# Altium PCB TCM.PcbDoc (part 7 of 10)
Units mm, origin at the board's own origin, x right, y up, seen from the top; angles counter-clockwise.
Board outline 280.25 x 366.95 mm, 6 copper layers (Top, L2, L3, L4, L5, Bot), stack 1.536 mm thick; 503 components, 762 nets, 3201 pads, 1645 vias.
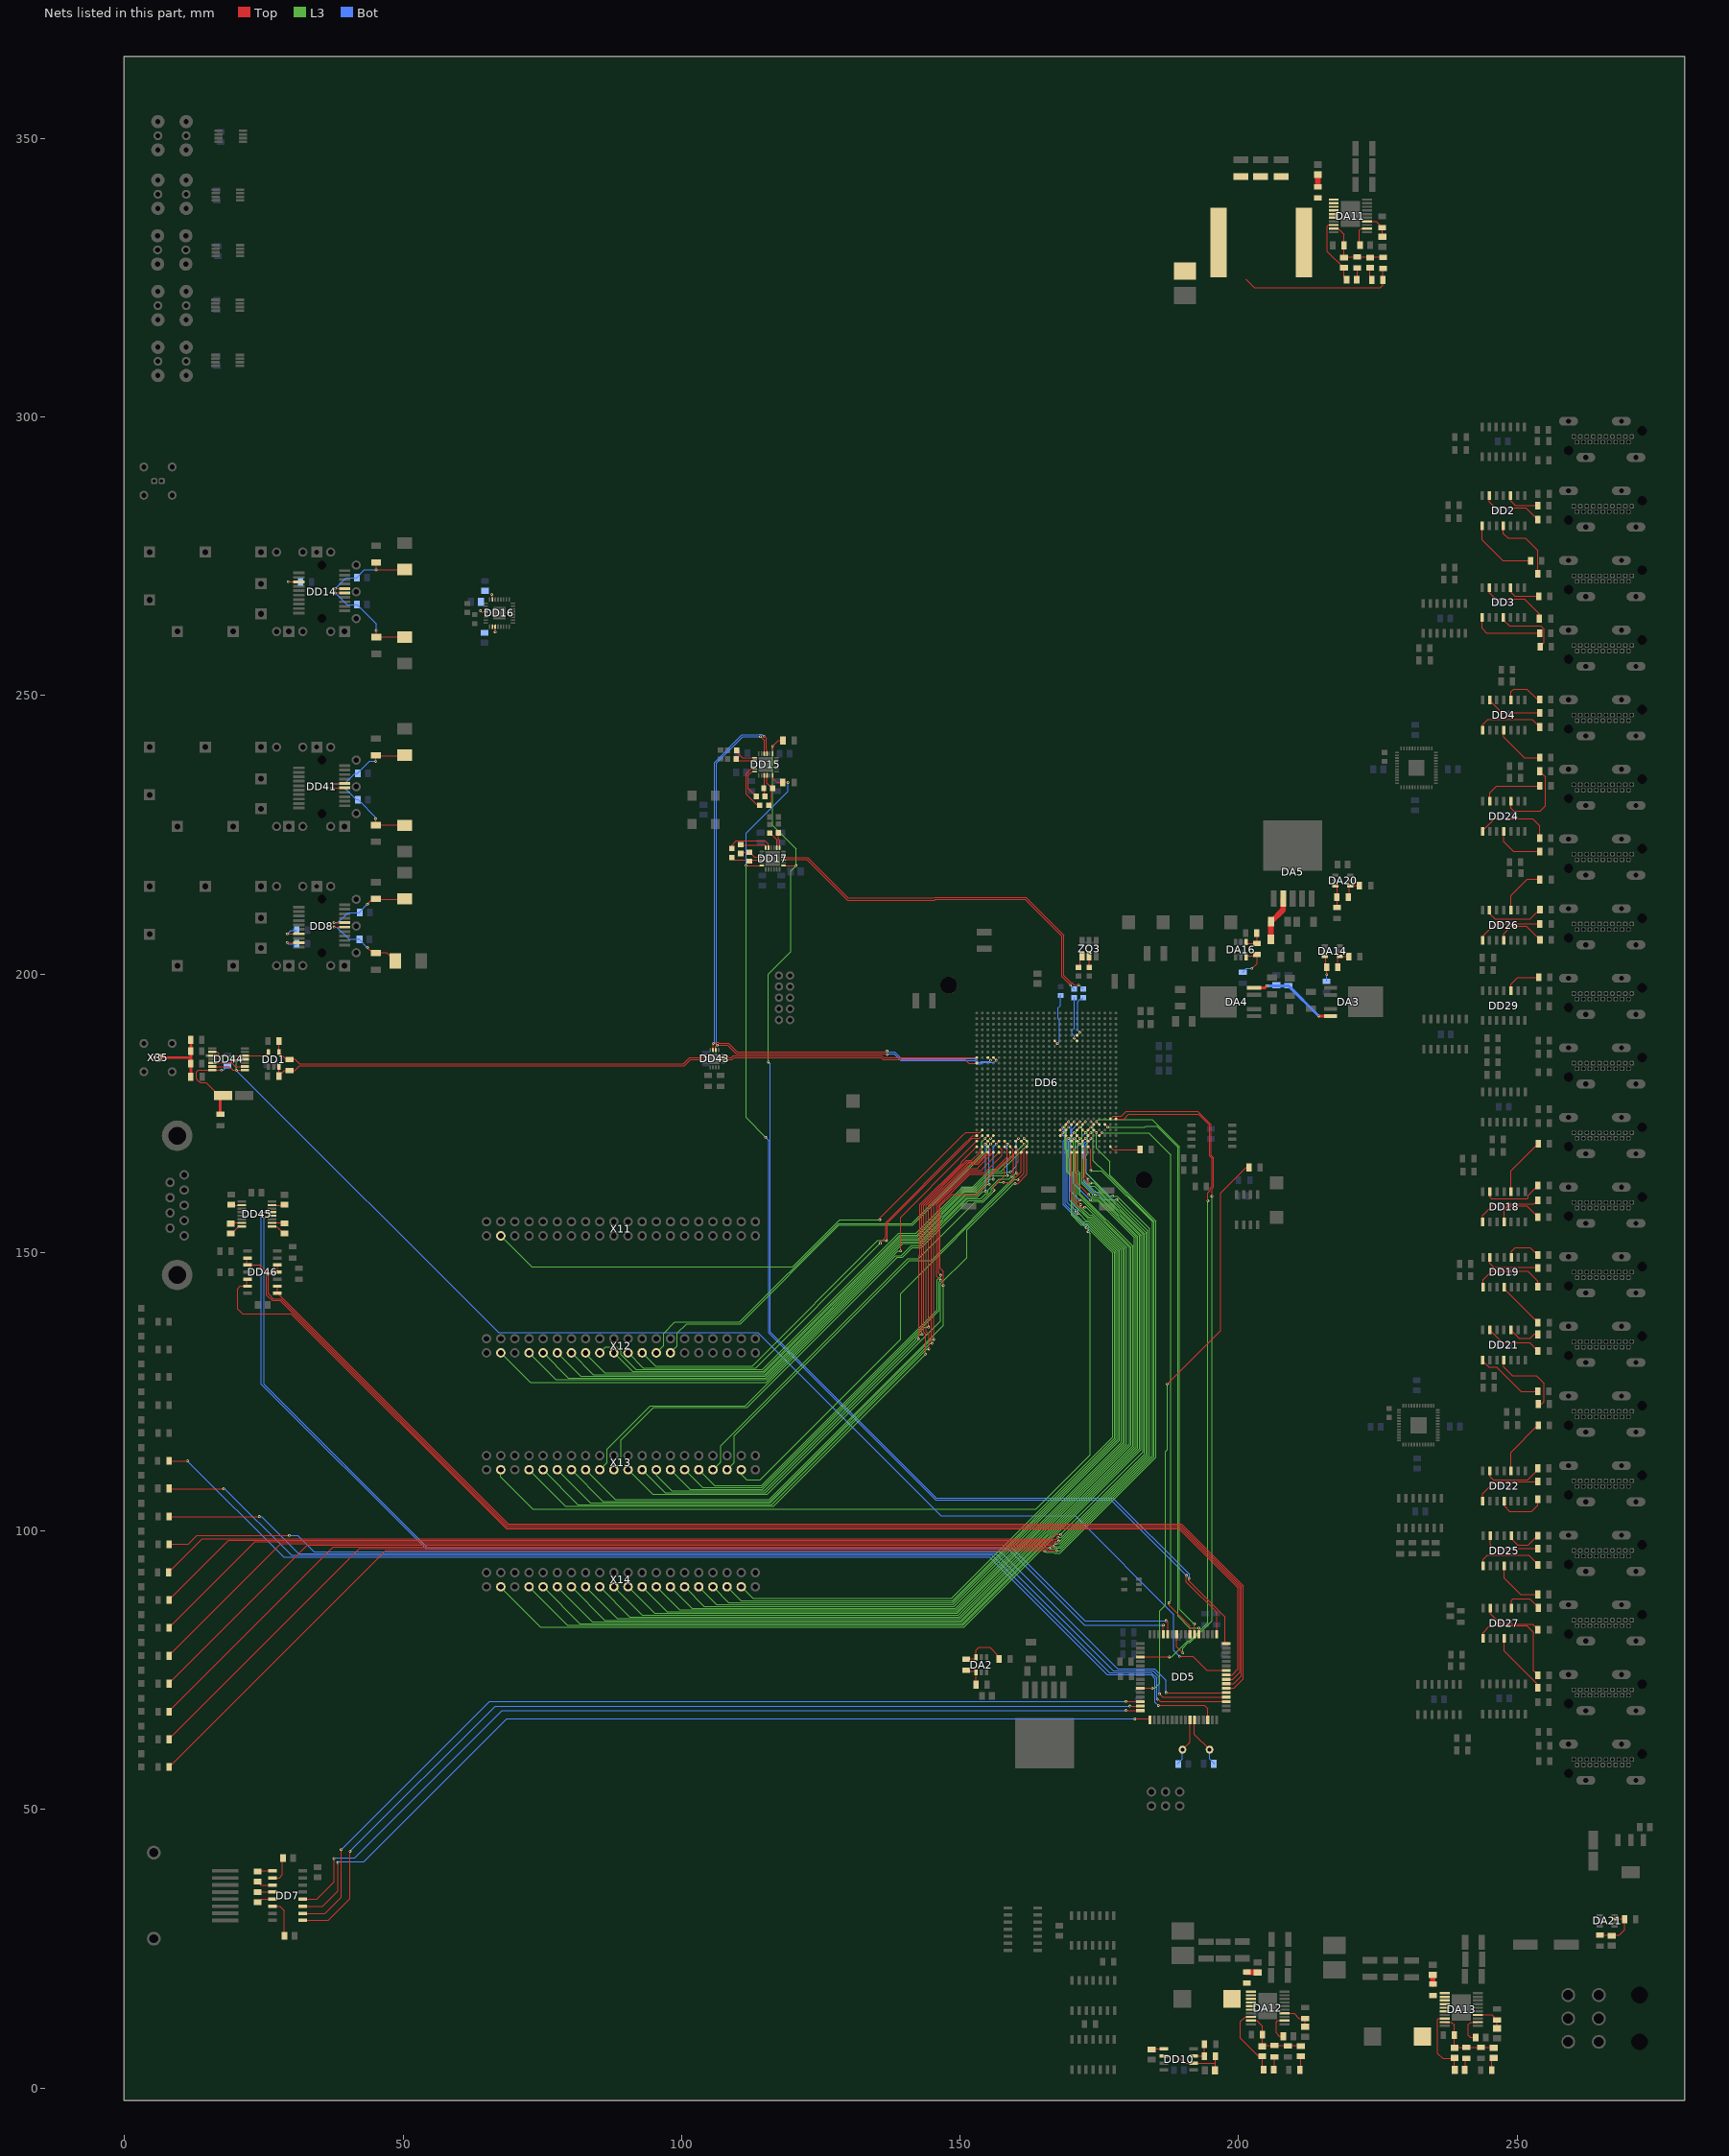
[diagram p11: the nets of this part, all layers, seen from the top]

## Via types
v1: diameter 0.48, hole 0.25, Top to Bot, tented both sides, 1515 vias
v2: diameter 1, hole 0.6, Top to Bot, tented both sides, 117 vias
v3: diameter 0.8, hole 0.4, Top to Bot, tented both sides, 8 vias
v4: diameter 5, hole 2.7, Top to Bot, tented both sides, 4 vias
v5: diameter 0.48/0/0/0/0/0.48 (per signal layer), hole 0.25, Top to Bot, tented both sides, 1 vias

## Nets (pads, with @x,y where several pads share a name; then routed paths per layer and width w, separated by ;. In a path a pad name is that pad's centre, name@x,y a point inside that pad or via, vN(x,y) a via of type N, cw(c..) or ccw(c..) an arc to the next point about the centre after c; other vN are vias at no path point) (continued)
LA1_5: DD6.AC23 X12.27 | length 76.4
  Top w0.1: v1(155.5,170.5) DD6.AC23@156,171
  L3 w0.1: 152.066,165.5 154.895,168.33 154.895,169.895 v1(155.5,170.5)
  L3 w0.15: X12.27@98.02,132 99.253,133.233 99.253,135.55 100.904,137.201 110.547,137.201 128.281,154.935 141.501,154.935 152.066,165.5
LA1_6: DD6.AD23 X12.25 | length 78.2
  Top w0.1: v1(154.5,170.5) DD6.AD23@155,171
  L3 w0.1: 151.641,165.5 153.895,167.754 153.895,169.895 v1(154.5,170.5)
  L3 w0.15: X12.25@95.48,132 96.8,133.32 96.8,135.5 98.801,137.501 110.422,137.501 128.156,155.235 141.376,155.235 151.641,165.5
LA1_7: DD6.AE23 X12.23 | length 81.1
  Top w0.1: 150.5,168.8 152.2,170.5 153.5,170.5 DD6.AE23@154,171
  Top w0.15: v1(136.815,152.134) 136.972,152.292 136.972,155.272 150.5,168.8
  L3 w0.15: X12.23@92.94,132 95.351,129.588 112.709,129.588 135.259,152.138 136.811,152.138 v1(136.815,152.134) v1@136.643,152.134
LA1_8: DD6.AF23 X12.21 | length 82.6
  Top w0.1: 150.5,169.224 152.276,171 DD6.AF23@153,171
  Top w0.15: v1(135.691,151.673) 135.691,151.818 136.672,152.8 136.672,155.397 150.5,169.224
  L3 w0.15: X12.21@90.4,132 93.111,129.288 113.306,129.288 v1(135.691,151.673)
LA1_9: DD6.U24 X12.19 | length 94.7
  Top w0.1: v1(161.5,170.5) DD6.U24@162,170
  L3 w0.1: 158.3,165.5 162.2,169.4 162.2,169.8 v1(161.5,170.5)
  L3 w0.15: X12.19@87.86,132 91.171,128.688 114.701,128.688 139.147,153.135 142.263,153.135 142.348,153.221 142.369,153.221 150.6,161.451 152.446,161.451 155.576,164.582 157.382,164.582 158.3,165.5
LA1_10: DD6.V24 X12.17 | length 96.2
  Top w0.1: DD6.V24@161,170 v1(161.5,169.5)
  L3 w0.1: 157.5,165.5 v1(161.5,169.5)
  L3 w0.15: X12.17@85.32,132 86.411,133.091 88.354,133.091 89.12,132.326 89.12,131.647 91.778,128.988 114.577,128.988 139.023,153.435 142.138,153.435 150.455,161.751 152.3,161.751 155.448,164.9 156.9,164.9 157.5,165.5
LA1_11: DD6.W24 X12.15 | length 100.2
  Top w0.1: DD6.W24@160,170 v1(160.5,170.5)
  L3 w0.15: X12.15@82.78,132 82.78,131.824 86.215,128.388 114.825,128.388 139.272,152.835 142.408,152.835 150.724,161.151 152.57,161.151 155.7,164.282 157.506,164.282 157.677,164.453 v1(159.059,164.453)
  Bot w0.1: 160.146,165.54 160.146,169.208 160.099,169.254 160.099,170.099 v1(160.5,170.5)
  Bot w0.15: v1(159.059,164.453) 160.146,165.54
LA1_12: DD6.AA24 X12.13 | length 101.1
  Top w0.1: DD6.AA24@158,170 v1@158.5,169.5
  L3 w0.15: X12.13@80.24,132 84.156,128.084 114.945,128.084 139.396,152.535 142.532,152.535 150.848,160.851 152.694,160.851 155.616,163.773 158.473,163.773 v1(158.5,163.8)
  Bot w0.1: 158.5,165.5 v1(158.5,169.5)
  Bot w0.15: v1(158.5,163.8) 158.5,165.5
LA1_13: DD6.AB24 X12.11 | length 101.9
  Top w0.1: v1(156.5,169.5) DD6.AB24@157,170
  L3 w0.15: X12.11@77.7,132 81.916,127.784 115.07,127.784 139.52,152.235 142.656,152.235 150.973,160.551 152.818,160.551 155.431,163.164 v1(155.981,163.164)
  Bot w0.1: 155.981,165.5 155.981,168.981 v1(156.5,169.5)
  Bot w0.15: v1(155.981,163.164) 155.981,165.5
LA1_14: DD6.AC24 X12.9 | length 104.4
  Top w0.1: v1(155.5,169.5) DD6.AC24@156,170
  L3 w0.15: X12.9@75.16,132 79.676,127.484 115.194,127.484 139.644,151.935 142.78,151.935 151.097,160.251 152.943,160.251 154.95,162.259 v1(155.241,162.259)
  Bot w0.1: 155.241,165.5 155.241,169.242 v1(155.5,169.5)
  Bot w0.15: v1(155.241,162.259) 155.241,165.5
LA1_15: DD6.AD24 X12.7 | length 107.2
  Top w0.1: v1(154.5,169.5) DD6.AD24@155,170
  L3 w0.15: X12.7@72.62,132 77.452,127.167 115.301,127.167 139.769,151.635 142.905,151.635 151.221,159.951 153.067,159.951 154.116,161 v1(154.6,161)
  Bot w0.1: 154.6,165.4 v1@154.6,169.401
  Bot w0.15: v1(154.5,169.5) v1@154.6,169.401 ; v1(154.6,161) 154.6,165.4
LA2_0: DD6.U25 X13.37 | length 84.6
  Top w0.1: 161.526,165.5 161.526,168.526 DD6.U25@162,169
  Top w0.15: v1(160.4,163.1) 161.526,164.226 161.526,165.5
  L3 w0.15: X13.37@110.72,111 110.72,110.182 111.697,109.205 114.143,109.205 139.338,134.4 139.338,142.656 159.782,163.1 v1(160.4,163.1)
LA2_1: DD6.W25 X13.35 | length 82.2
  Top w0.1: DD6.W25@160,169 160.494,168.506 160.494,166.294 160.104,165.904 160.104,165.5
  Top w0.15: v1(160.104,164.3) 160.104,165.5
  L3 w0.15: X13.35@108.18,111 109.5,112.32 109.5,117.155 140.944,148.6 144.858,148.6 159.765,163.507 159.765,163.961 v1(160.104,164.3)
LA2_2: DD6.Y25 X13.33 | length 82.5
  Top w0.1: 158,165.5 158,165.722 159.5,167.222 159.5,168.5 DD6.Y25@159,169
  Top w0.15: v1(156.1,161.2) 156.1,161.8 158,163.7 158,165.5
  L3 w0.15: X13.33@105.64,111 107.061,112.421 107.061,115.341 140,148.28 140.667,148.946 142.572,148.946 152.677,159.051 154.157,159.051 156.1,160.994 v1(156.1,161.2)
LA2_3: DD6.AA25 X13.31 | length 94.3
  Top w0.1: 156.809,165.5 158.5,167.191 158.5,168.5 DD6.AA25@158,169
  Top w0.15: v1(146.551,145.919) 146.148,146.322 146.148,158.477 151.771,164.1 155.409,164.1 156.809,165.5
  L3 w0.15: X13.31@103.1,111 105.964,108.136 114.347,108.136 145.935,139.724 145.935,145.148 146.551,145.764 v1(146.551,145.919)
LA2_4: DD6.AB25 X13.29 | length 96.7
  Top w0.1: 155.6,165.5 157.5,167.4 157.5,168.5 DD6.AB25@157,169
  Top w0.15: v1(146.498,145.054) 145.848,145.704 145.848,158.601 151.647,164.4 154.5,164.4 155.6,165.5
  L3 w0.15: X13.29@100.56,111 103.755,107.805 114.441,107.805 146.235,139.6 146.235,144.791 v1(146.498,145.054)
LA2_5: DD6.AD25 X13.27 | length 98.1
  Top w0.1: 151.4,165.5 151.8,165.9 153.183,165.9 154.783,167.5 155.2,167.5 155.499,167.799 155.499,168.501 DD6.AD25@155,169
  Top w0.15: v1(144.368,136.61) 144.368,158.468 151.4,165.5
  L3 w0.15: X13.27@98.02,111 101.515,107.505 114.565,107.505 143.67,136.61 v1(144.368,136.61)
LA2_6: DD6.AE25 X13.25 | length 100.4
  Top w0.1: 150.5,165.87 151.152,166.522 152.121,166.522 153.531,167.932 153.531,168.531 DD6.AE25@154,169
  Top w0.15: v1(143.184,135.284) 143.184,158.555 150.5,165.87
  L3 w0.15: X13.25@95.48,111 95.48,110.011 98.286,107.205 114.865,107.205 142.136,134.477 142.136,134.652 142.768,135.284 v1(143.184,135.284)
LA2_7: DD6.AF25 X13.23 | length 101.6
  Top w0.1: 150.5,166.5 DD6.AF25@153,169
  Top w0.15: v1(142.601,134.46) 142.665,134.523 142.665,149.464 142.83,149.629 142.83,158.648 150.165,165.983 150.165,166.165 150.5,166.5
  L3 w0.15: X13.23@92.94,111 97.035,106.905 115.047,106.905 v1(142.601,134.46)
LA2_8: DD6.U26 X13.21 | length 108
  Top w0.1: 162,165.5 DD6.U26@162,168
  Top w0.15: v1(159.9,162.374) 160.332,162.374 162,164.042 162,165.5
  L3 w0.15: X13.21@90.4,111 94.795,106.605 115.404,106.605 143.583,134.784 143.583,134.794 146.535,137.746 146.535,144.393 151.264,149.122 151.264,154.077 159.562,162.374 v1(159.9,162.374)
LA2_9: DD6.V26 X13.19 | length 101.4
  Top w0.1: 161,165.5 DD6.V26@161,168
  Top w0.15: v1(157.8,162.6) 159.062,162.6 161,164.538 161,165.5
  L3 w0.15: X13.19@87.86,111 89.12,112.26 89.12,116.325 94.995,122.2 111.8,122.2 138.749,149.149 139.661,149.149 141.417,150.906 143.024,150.906 151.47,159.351 154.033,159.351 155.635,160.953 155.635,161.393 156.842,162.6 v1(157.8,162.6)
LA2_10: DD6.W26 X13.17 | length 102.1
  Top w0.1: 159.6,165.5 159.6,167.039 159.7,167.139 159.7,167.7 DD6.W26@160,168
  Top w0.15: v1(159.3,163.7) 159.6,164 159.6,165.5
  L3 w0.15: X13.17@85.32,111 86.6,112.28 86.6,114.7 94.4,122.5 111.482,122.5 138.432,149.449 139.449,149.449 141.206,151.206 142.9,151.206 151.345,159.651 153.703,159.651 154.586,160.535 154.793,160.535 155.065,160.807 155.065,161.247 157.018,163.2 158.8,163.2 v1(159.3,163.7)
LA2_11: DD6.Y26 X13.15 | length 118.5
  Top w0.1: 157.3,165.5 159,167.2 DD6.Y26@159,168
  Top w0.15: v1(147,144.1) 147.016,144.116 147.016,146.622 146.448,147.189 146.448,158.353 148.547,160.451 152.965,160.451 154.776,162.262 154.776,162.976 157.3,165.5
  L3 w0.15: X13.15@82.78,111 88.139,105.641 115.713,105.641 144.483,134.411 144.483,134.421 147,136.938 v1(147,144.1)
LA2_12: DD6.AB26 X13.13 | length 119.2
  Top w0.1: 154.5,165.5 DD6.AB26@157,168
  Top w0.15: v1(145.3,134.4) 145.3,158.477 151.617,164.794 153.794,164.794 154.5,165.5
  L3 w0.15: X13.13@80.24,111 85.899,105.341 115.837,105.341 144.896,134.4 v1(145.3,134.4)
LA2_13: DD6.AC26 X13.11 | length 121.6
  Top w0.1: 153.5,165.5 DD6.AC26@156,168
  Top w0.15: v1(145,133.7) 144.835,133.865 144.835,158.436 151.499,165.1 153.1,165.1 153.5,165.5
  L3 w0.15: X13.11@77.7,111 83.659,105.041 115.962,105.041 144.62,133.7 v1(145,133.7)
LA2_14: DD6.AD26 X13.9 | length 124.4
  Top w0.1: 150.965,165.5 151.565,166.1 153.1,166.1 DD6.AD26@155,168
  Top w0.15: v1(144.398,132.678) 144.398,135.317 143.903,135.812 143.903,158.438 150.965,165.5
  L3 w0.15: X13.9@75.16,111 81.419,104.741 116.177,104.741 144.113,132.678 v1(144.398,132.678)
LA2_15: DD6.AE26 X13.7 | length 126.8
  Top w0.1: 150.5,165.5 151.3,166.3 152.629,166.3 154,167.671 DD6.AE26@154,168
  Top w0.15: v1(143.844,131.751) 143.863,131.77 143.863,135.365 143.484,135.744 143.484,158.484 150.5,165.5
  L3 w0.15: X13.7@72.62,111 79.179,104.441 116.534,104.441 v1(143.844,131.751)
LA3_0: DD6.L23 X14.37 | length 139.1
  Top w0.1: DD6.L23@168,171 v1(168.5,171.5)
  L3 w0.15: X14.37@110.72,90 112.816,87.904 148.503,87.904 177.465,116.866 177.465,149.919 173.193,154.191 172.927,154.191 v1(172.668,154.45)
  Bot w0.1: v1(168.5,171.5) 168.5,171.059 168.895,170.664 168.895,170.336 168.595,170.036 168.595,166.913 ; 168.595,165.5 168.595,166.913
  Bot w0.15: 168.595,165.5 168.595,158.523 v1(172.668,154.45)
LA3_1: DD6.K21 X14.35 | length 144.8
  Top w0.1: DD6.K21@169,173 v1(169.5,173.5)
  L3 w0.1: 169.117,165.5 169.117,168.211 168.895,168.433 168.895,172.894 v1(169.5,173.5)
  L3 w0.15: X14.35@108.18,90 110.648,87.532 148.621,87.532 177.765,116.676 177.765,150.043 172.893,154.915 171.778,154.915 169.974,156.72 169.974,163.653 169.117,164.511 169.117,165.5
LA3_2: DD6.K22 X14.33 | length 147
  Top w0.1: DD6.K22@169,172 v1(169.5,172.5)
  L3 w0.1: 169.427,165.5 169.427,168.183 169.105,168.505 169.105,172.085 169.095,172.095 v1(169.5,172.5)
  L3 w0.15: X14.33@105.64,90 108.475,87.165 148.679,87.165 178.065,116.55 178.065,150.168 173.017,155.215 171.903,155.215 170.274,156.844 170.274,163.778 169.427,164.624 169.427,165.5
LA3_3: DD6.K23 X14.31 | length 148.2
  Top w0.1: DD6.K23@169,171 v1(169.5,170.5)
  L3 w0.15: X14.31@103.1,90 106.307,86.793 148.735,86.793 178.365,116.422 178.365,150.292 173.142,155.515 172.027,155.515 170.735,156.807 170.735,157.435 v1(170.8,157.5)
  Bot w0.1: 169.28,165.5 169.28,170.156 169.5,170.376 v1(169.5,170.5)
  Bot w0.15: 169.28,165.5 169.28,159.02 v1(170.8,157.5)
LA3_4: DD6.J21 X14.29 | length 154.6
  Top w0.1: DD6.J21@170,173 v1(170.5,173.5)
  L3 w0.15: X14.29@100.56,90 104.075,86.485 148.914,86.485 178.665,116.236 178.665,150.416 173.266,155.815 172.539,155.815 171.355,157 v1(171.2,157)
  Bot w0.1: 169.648,165.5 169.648,166.857 169.5,167.006 169.5,169.941 169.905,170.346 169.905,172.905 v1(170.5,173.5)
  Bot w0.15: 169.648,165.5 169.648,159.309 171.265,157.693 171.265,157.065 v1(171.2,157)
LA3_5: DD6.J23 X14.27 | length 155.6
  Top w0.1: DD6.J23@170,171 v1(170.5,171.5)
  L3 w0.1: 169.733,165.5 169.733,170.012 169.895,170.174 169.895,170.895 v1(170.5,171.5)
  L3 w0.15: X14.27@98.02,90 101.887,86.133 149.184,86.133 178.989,115.938 178.989,150.516 173.39,156.115 172.913,156.115 170.655,158.373 170.655,163.821 169.733,164.743 169.733,165.5
LA3_6: DD6.J24 X14.25 | length 157.4
  Top w0.1: DD6.J24@170,170 v1(170.5,170.5)
  L3 w0.1: 170.334,165.5 170.334,170.334 v1(170.5,170.5)
  L3 w0.15: X14.25@95.48,90 99.647,85.833 149.309,85.833 179.289,115.814 179.289,150.64 173.514,156.415 173.038,156.415 170.972,158.482 170.972,163.944 170.334,164.582 170.334,165.5
LA3_7: DD6.J25 X14.23 | length 158.6
  Top w0.1: DD6.J25@170,169 170.5,168.5 170.5,165.5
  Top w0.15: 170.5,165.5 170.5,159.743 v1(171.643,158.6)
  L3 w0.15: X14.23@92.94,90 97.407,85.533 149.433,85.533 179.589,115.689 179.589,150.765 173.639,156.715 173.162,156.715 171.643,158.235 v1(171.643,158.6)
LA3_8: DD6.J26 X14.21 | length 161.3
  Top w0.1: 170,165.5 DD6.J26@170,168
  Top w0.15: 170,165.5 170,159.585 171.45,158.135 v1(172.4,158.135)
  L3 w0.15: X14.21@90.4,90 95.167,85.233 149.557,85.233 179.889,115.565 179.889,150.889 172.643,158.135 v1(172.4,158.135)
LA3_9: DD6.H21 X14.19 | length 171.2
  Top w0.1: DD6.H21@171,173 v1(171.5,173.5)
  L3 w0.15: X14.19@87.86,90 92.955,84.905 149.714,84.905 180.437,115.628 180.437,150.857 171.894,159.4 v1(171.5,159.4)
  Bot w0.1: 169.962,165.5 169.962,170.106 170.105,170.249 170.105,172.106 v1(171.5,173.5)
  Bot w0.15: 169.962,165.5 169.962,160.938 v1(171.5,159.4)
LA3_10: DD6.H22 X14.17 | length 172.6
  Top w0.1: DD6.H22@171,172 v1(171.5,172.5)
  L3 w0.1: 170.744,165.5 170.744,170.185 170.895,170.336 170.895,171.894 v1(171.5,172.5)
  L3 w0.15: X14.17@85.32,90 90.715,84.605 149.838,84.605 180.737,115.503 180.737,150.981 171.284,160.434 171.284,164.084 170.744,164.624 170.744,165.5
LA3_11: DD6.H23 X14.15 | length 173.6
  Top w0.1: DD6.H23@171,171 v1(171.5,170.5)
  L3 w0.1: 171.105,165.5 171.105,169.664 171.5,170.059 v1(171.5,170.5)
  L3 w0.15: X14.15@82.78,90 88.475,84.305 150,84.305 181.037,115.341 181.037,151.106 171.584,160.558 171.584,164.209 171.105,164.688 171.105,165.5
LA3_12: DD6.H24 X14.13 | length 177.3
  Top w0.1: DD6.H24@171,170 v1(171.5,169.5)
  L3 w0.15: X14.13@80.24,90 86.243,83.997 150.185,83.997 181.337,115.149 181.337,152.663 176.909,157.091 ccw(c176.3,156.8) 176.591,157.409 174.765,159.235 173.565,159.235 v1(173.4,159.4)
  Bot w0.1: 170.336,165.5 170.336,168.337 v1(171.5,169.5)
  Bot w0.15: 170.336,165.5 170.336,162.463 v1(173.4,159.4)
LA3_13: DD6.H26 X14.11 | length 177.4
  Top w0.1: 171,165.5 DD6.H26@171,168
  Top w0.15: 171,165.5 171,162.518 v1(173.118,160.4)
  L3 w0.15: X14.11@77.7,90 84.003,83.697 150.309,83.697 181.637,115.025 181.637,152.771 176.96,157.448 ccw(c176.3,156.8) 176.952,157.456 174.873,159.535 173.983,159.535 v1(173.118,160.4)
LA3_14: DD6.G21 X14.9 | length 186.8
  Top w0.1: DD6.G21@172,173 v1(172.5,173.5)
  L3 w0.1: 171.905,165.5 171.905,172.905 v1(172.5,173.5)
  L3 w0.15: X14.9@75.16,90 81.763,83.397 150.433,83.397 181.937,114.9 181.937,152.895 174.997,159.835 174.107,159.835 173.835,160.107 173.835,160.416 171.905,162.347 171.905,165.5
LA3_15: DD6.G22 X14.7 | length 187.9
  Top w0.1: DD6.G22@172,172 v1(172.5,171.5)
  L3 w0.15: X14.7@72.62,90 79.523,83.097 150.557,83.097 182.237,114.776 182.237,153.02 174.956,160.3 v1(174.3,160.3)
  Bot w0.1: 171.92,165.5 171.92,170.92 v1(172.5,171.5)
  Bot w0.15: 171.92,165.5 171.92,162.68 v1(174.3,160.3)
LACK0: DD6.AE22 X11.3 | length 99
  Top w0.1: 150.5,171.004 151.038,171.542 153.542,171.542 DD6.AE22@154,172
  Top w0.15: v1(135.6,155.9) 135.6,156.104 150.5,171.004
  L3 w0.15: X11.3@67.54,153 73.08,147.46 119.958,147.46 128.397,155.9 v1(135.6,155.9)
LACK1: DD6.AF24 X12.3 | length 109.1
  Top w0.1: 150.5,167.5 DD6.AF24@153,170
  Top w0.15: v1(139.338,150.3) 139.338,156.338 150.5,167.5
  L3 w0.15: X12.3@67.54,132 72.819,126.721 115.279,126.721 138.858,150.3 v1(139.338,150.3)
LACK2: DD6.L22 X13.3 | length 175.5
  Top w0.1: DD6.L22@168,172 v1(168.5,172.5)
  L3 w0.15: X13.3@67.54,111 67.54,109.706 73.27,103.976 163.656,103.976 173.382,113.702 173.382,114.087 173.382,153.345 v1(173.001,153.726)
  Bot w0.1: v1(168.5,172.5) 168.5,172.058 169.095,171.463 169.095,170.254 168.92,170.079 168.92,165.5
  Bot w0.15: 168.92,165.5 168.92,158.622 172.627,154.915 172.86,154.915 173.133,154.643 173.133,153.858 v1(173.001,153.726)
LACK3: DD6.G24 X14.3 | length 192.7
  Top w0.1: DD6.G24@172,170 v1(172.5,170.5)
  L3 w0.1: 172.235,165.5 172.235,166.799 172.105,166.929 172.105,170.106 v1(172.5,170.5)
  L3 w0.15: X14.3@67.54,90 67.54,89.945 74.688,82.797 150.682,82.797 182.537,114.652 182.537,153.144 174.829,160.851 174.049,160.851 172.235,162.665 172.235,165.5
LAS_N: DD6.AF9 DD43.3 | length 45.9
  Top w0.1: 150.5,185 DD6.AF9@153,185
  Top w0.2: DD43.3@107.4,185.05 108.25,185.05 108.3,185 108.937,185 109.287,185.35 133.901,185.35 133.902,185.351 134.598,185.351 134.599,185.35 135.95,185.35 136.3,185 150.5,185
LAS_P: DD6.AF10 DD43.2 | length 46.2
  Top w0.1: 150.5,184.644 150.931,184.644 151.575,184 DD6.AF10@153,184
  Top w0.2: DD43.2@107.4,184.55 108.159,184.55 108.197,184.588 108.244,184.588 108.3,184.644 109.076,184.644 109.432,185 134.046,185 134.047,185.001 134.453,185.001 134.454,185 135.805,185 136.161,184.644 150.5,184.644
LASER_EN: DD5.10 DD44.1 DD44.4 DD44.10 DD44.13 | length 241.5
  Top w0.15: v1(14.8,185.35) DD44.10@15.85,185.35 ; DD44.13@15.9,183.4 18.8,183.4 19.45,182.75 DD44.1@21.4,182.75 ; v1(20.1,184.4) 20.4,184.7 DD44.4@21.4,184.7 ; v1(189.4,77.5) 191.8,77.5 194.318,74.982 DD5.10@197.586,74.982
  L3 w0.15: v1(14.8,185.35) 19.15,185.35 v1(20.1,184.4) v1(20.1,182.7)
  Bot w0.15: v1(20.1,182.7) 67.185,135.615 113.705,135.615 146.62,102.7 170.7,102.7 188.365,85.035 188.365,78.535 v1(189.4,77.5)
LASER_N: DD1.4 DD43.10 R1.1 R5.2 | length 80.1
  Top w0.2: R5.2@27.7,188 27.7,185.95 28.95,184.7 29.6,184.7 30.575,184.7 31.4,183.875 100.375,183.875 101.475,184.975 103.725,184.975 103.8,185.05 104.4,185.05 DD43.10@104.397,185.047
LASER_OUT: R7.2 R28.2 R192.2 R202.2 X35.1 | length 12.5
  Top w0.37: X35.1@6,185 11.9,185
  Top w0.5: R28.2@11.9,181.6 11.9,183.95 11.9,185 11.9,186.2 R202.2@11.9,188.2
LASER_P: DD1.3 DD43.11 R1.2 R6.2 | length 79.9
  Top w0.2: DD1.3@27.7,183.7 27.7,181.7 28.7,182.7 29.6,182.7 30.575,182.7 31.4,183.525 100.52,183.525 101.62,184.625 103.725,184.625 103.8,184.55 DD43.11@104.4,184.55
LCLK_N: DD6.AD9 DD15.21 DD43.7 | length 118.8
  Top w0.1: DD6.AD9@155,185 v1(155.5,184.5)
  Top w0.2: DD43.7@105.65,186.3 105.7,186.35 v1(105.7,187.545) 105.751,187.596 106.053,187.596 106.197,187.74 106.603,187.74 106.743,187.6 108.395,187.6 109.092,186.902 109.097,186.902 109.2,186.8 109.95,186.05 133.611,186.05 133.612,186.051 134.888,186.051 134.889,186.05 136.738,186.05 v1(136.878,186.19) ; v1@114.847,242.705 115.207,242.345 115.207,240.3 115.357,240.15 DD15.21@115.357,239.55
  Bot w0.1: 150.5,184.829 152.67,184.829 152.82,184.678 152.988,184.678 153.105,184.561 153.105,184.337 153.337,184.105 153.664,184.105 153.864,184.305 155.305,184.305 v1(155.5,184.5)
  Bot w0.2: v1(105.7,187.545) 105.9,187.745 105.9,238 110.8,242.9 110.852,242.952 113.807,242.952 113.945,243.09 114.372,243.09 v1@114.762,242.7 ; v1(136.878,186.19) 137.018,186.05 138.25,186.05 139.47,184.83 147.189,184.83 147.19,184.829 150.5,184.829
  other v1: 114.806,242.7
LCLK_P: DD6.AC9 DD15.22 DD43.6 | length 117.6
  Top w0.1: DD6.AC9@156,185 v1(156.5,184.5)
  Top w0.2: DD43.6@106.15,186.3 106.15,187 v1(106.4,187.25) 108.25,187.25 108.947,186.552 108.952,186.552 109.805,185.7 133.756,185.7 133.757,185.701 134.743,185.701 134.744,185.7 136.738,185.7 v1(136.878,185.56) ; v1(114.169,242.6) 114.857,241.912 DD15.22@114.857,239.55
  Bot w0.1: 150.5,184.478 152.905,184.478 152.905,184.254 153.254,183.905 153.747,183.905 153.947,184.105 156.105,184.105 v1(156.5,184.5)
  Bot w0.2: v1(106.4,187.25) 106.25,187.4 106.25,237.855 110.997,242.602 114.167,242.602 v1(114.169,242.6) ; v1(136.878,185.56) 137.018,185.7 138.105,185.7 139.325,184.48 147.044,184.48 147.045,184.478 150.5,184.478
LDO_VBIAS: C95.2 DA3.5 DA4.5 R58.1 | length 16.1
  Top w0.5: DA4.5@202.75,197.54 204.74,197.54 v1(205.1,197.9) ; v1(214.4,192.46) DA3.5@216.45,192.46
  Bot w0.5: v1(205.1,197.9) 206.8,197.9 208.96,197.9 v1(214.4,192.46)
LED0: DD6.G25 R142.1 | length 243.7
  Top w0.1: DD6.G25@172,169 172.5,168.5 172.5,165.5
  Top w0.15: R142.1@7.9,92.6 13.95,98.65 166.372,98.65 167.106,99.384 v1(168.094,99.384) ; 172.5,165.5 172.5,163.655 v1(173.001,163.154)
  L3 w0.15: v1(168.094,99.384) 168.094,99.457 182.837,114.199 182.837,153.268 174.151,161.954 173.371,161.954 173.011,162.314 v1@173.011,163.164
LED1: DD6.G26 R143.1 | length 245.4
  Top w0.1: 172,165.5 DD6.G26@172,168
  Top w0.15: R143.1@8,87.65 18.7,98.35 166.705,98.35 166.87,98.515 167.236,98.515 v1(167.587,98.866) ; 172,165.5 172,163.497 173.015,162.482 v1(173.5,162.482)
  L3 w0.15: v1(167.587,98.866) 168.234,98.866 183.137,113.769 183.137,153.393 174.047,162.482 v1(173.5,162.482)
LED2: DD6.F22 R144.1 | length 252.7
  Top w0.1: DD6.F22@173,172 v1@173.5,172.5